# KiCad board panel.kicad_pcb (continued)
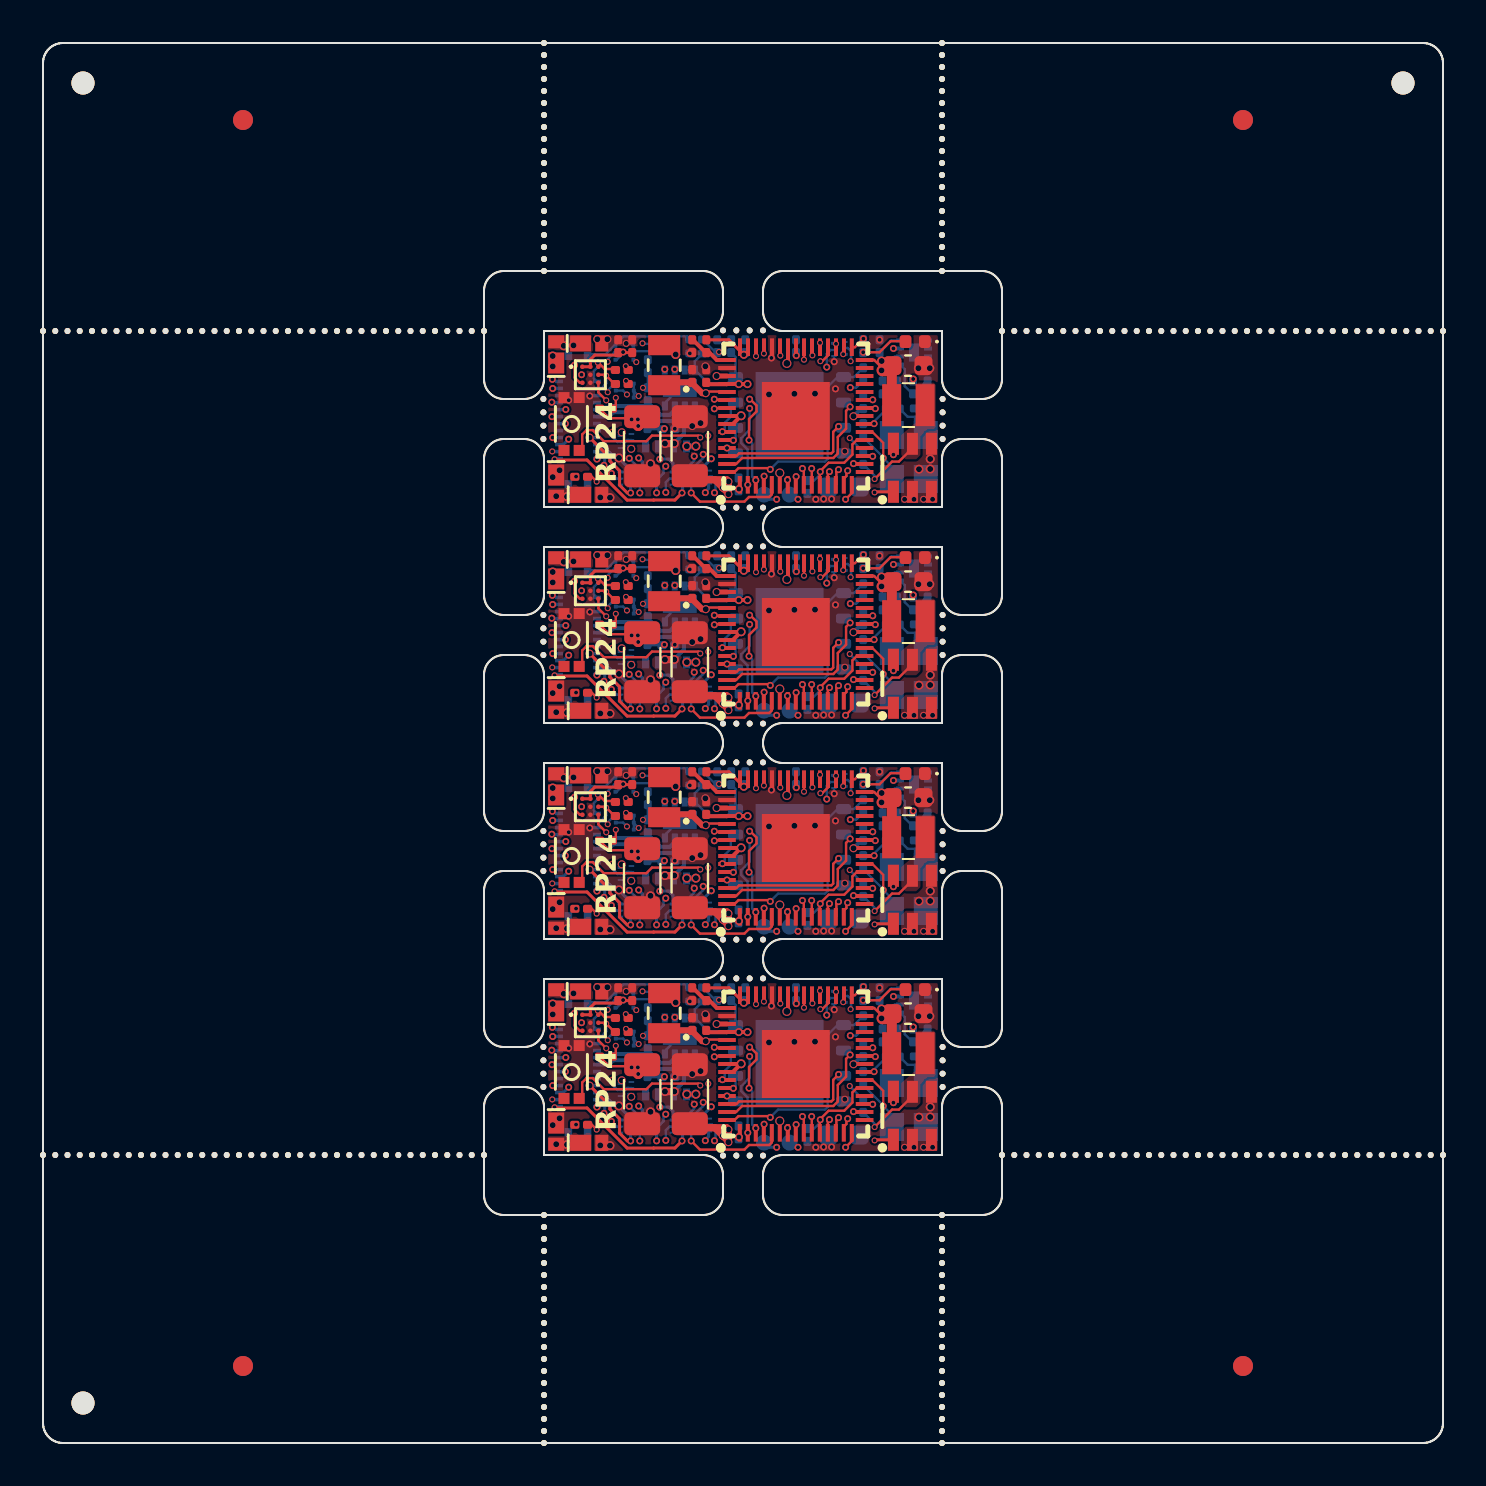
[diagram p0: board, top side]
## Routing (per net, layer and track width the routed paths; a pad name or vN(x,y) marks a point on that pad's centre or on a via; arc(x,y) is an arc through that point) (continued)
Board_2-/GPIO26: length 7.4
  Top w0.12: v3(36.86,32.77) 36.85,32.78 U4#2.40
  In4.Cu w0.12: v5(31.09,32.09) 31.09,32.84 31.52,33.27 36.29,33.27 36.86,32.7 v3(36.86,32.77)
Board_2-/I2S_BCLK: length 14.1
  Top w0.12: U5.C1 26.84,31.41 26.58,31.67 26.58,32.2 26.58,32.2 v5(26.58,32.29)
  In4.Cu w0.12: v5(26.58,32.29) 26.58,32.29 27.37,33.09 28.38,33.09 29.02,33.73 38.53,33.73 v3(38.85,33.41)
Board_2-/I2S_DIN: length 14.5
  Top w0.12: U4#2.34 39.25,32.78 38.96,32.49 v3(38.87,32.49)
  In4.Cu w0.12: v3(38.87,32.49) 38.87,32.88 38.25,33.5 30.54,33.5 29.85,32.8 29.49,32.8 29.29,32.6 28.57,32.6 28.39,32.78 27.59,32.78 26.93,32.11 v5(26.93,31.81)
Board_2-/I2S_LRCLK: length 15.8
  Top w0.12: U4#2.36 38.45,32.8 v3(38.47,32.78) ; U5.C3 27.77,30.93 v3(28.16,30.53)
  In3.Cu w0.12: v3(28.16,30.53) 27.38,31.31 27.38,32.57 28.03,33.22 28.37,33.22 28.88,33.73 37.52,33.73 v3(38.47,32.78)
Board_2-/LAMP_FRONT: length 4.6
  Top w0.15: v2(27.33,28.67) 27.34,28.67 28.34,27.67 28.34,27.5 28.83,27.01 28.83,26.29 29.22,25.91 v5(29.38,25.91)
  Bottom w0.15: v5(29.38,25.91) Q6#4.3 ; v2(27.33,28.67) 27.33,28.67 27.7,28.67
Board_2-/LAMP_REAR: length 2
  Bottom w0.15: 27.7,28.33 27.93,28.33 28.37,27.89 28.37,27.46 28.88,26.95
Board_2-/MOTOR_A: length 5.1
  Bottom w0.2: 27.7,29.73 28.3,29.73 28.51,29.94 29.91,29.94 29.92,29.93 30.3,29.93 30.73,29.5 31.53,29.5 32.09,30.06 U6#4.2
Board_2-/MOTOR_B: length 4.7
  Bottom w0.12: 30.43,30.24 30.24,30.43
  Bottom w0.2: U6#4.3 31.59,30.06 31.34,29.81 30.86,29.81 30.43,30.24 30.05,30.24 30.04,30.25 28.39,30.25 28.31,30.17 27.8,30.17 27.7,30.08
Board_2-/QSPI_CS: length 10.4
  Top w0.12: v5(36.36,27.08) 36.3,27.14 34.77,27.14 34.58,26.95
  Bottom w0.12: U3#4.1 40.54,31.7 R6#4.1 ; v5(36.36,27.08) 36.75,27.47 39.1,27.47 39.23,27.6 39.23,31.2 39.72,31.7
Board_2-/QSPI_SCLK: length 0.7
  Bottom w0.12: U3#4.6 34.63,28.65 v5(34.52,28.53)
Board_2-/QSPI_SD0: length 0.4
  Bottom w0.12: 34.47,27.88 v5(34.2,28.15)
Board_2-/QSPI_SD1: length 8.7
  Top w0.12: v5(40.35,30.21) 40.15,30.01 40.15,29.11 39.74,28.7 39.74,27.87 39.52,27.65 34.95,27.65 34.65,27.35 U4#2.59
  Bottom w0.12: v5(40.35,30.21) 40.14,30.42
Board_2-/QSPI_SD2: length 6.8
  Top w0.12: U4#2.58 34.67,27.75 34.8,27.88 39.42,27.88 39.51,27.97 39.51,28.96 v5(39.78,29.23)
Board_2-/QSPI_SD3: length 1.7
  Bottom w0.12: v5(33.97,28.96) 34.09,29.08 34.09,29.41 34.39,29.71 34.39,30.19 U3#4.7
Board_2-/RC_TX: length 14.6
  Top w0.12: v5(40.13,25.58) 40.44,25.89 U4#2.15 ; v3(27.68,26.47) 27.44,26.71 R13.2
  In1.Cu w0.12: v3(27.68,26.47) 27.94,26.22 28.36,26.22 29.11,25.47 36.08,25.47 36.55,25.94 39.77,25.94 v5(40.13,25.58)
Board_2-/SPEAKER_N: length 2
  Top w0.12: U5.B3 28.11,31.81 v3(28.16,31.76) 28.58,31.35
  Bottom w0.12: v3(28.16,31.76) 28.16,31.37 27.91,31.12 27.7,31.12
Board_2-/SPEAKER_P: length 2.3
  Top w0.12: 28.57,32.1 28.09,32.1 27.77,32.42 v3(27.74,32.42) 27.77,32.4 U5.A3
  Bottom w0.12: 27.7,31.48 27.55,31.62 27.55,32.01 27.74,32.2 v3(27.74,32.42)
Board_2-/SWCLK: length 10.1
  Top w0.15: v5(41.62,30.12) 41.58,30.15 U4#2.24
  In4.Cu w0.15: v5(41.62,30.12) 41.72,30.12 43.14,28.7 43.14,27.56 42.51,26.93 41.29,26.93 40.66,26.3 38.22,26.3 37.75,25.83 v5(37.75,25.59)
Board_2-/SWDIO: length 12
  Top w0.15: U4#2.25 41.48,30.55 v5(41.49,30.56)
  In4.Cu w0.15: v5(36.68,25.58) 36.68,25.63 37.01,25.97 37.52,25.97 38.12,26.56 40.55,26.56 41.18,27.19 42.41,27.19 42.88,27.67 42.88,28.59 41.74,29.73 41.48,29.73 41.26,29.95 41.26,30.33 v5(41.49,30.56)
  Bottom w0.15: J1#3.1 36.29,25.58 v5(36.68,25.58)
Board_2-/SWITCH: length 3.7
  Top w0.12: v3(41.58,26.6) 42.45,27.47 42.79,27.47 43.47,28.15 U2#2.5
  Bottom w0.12: C5.2 41.58,26.76 v3(41.58,26.6)
Board_2-/TRACK_LEFT: length 5.5
  Bottom w0.12: 27.33,32.84 28.13,32.84 28.55,33.26 Q4.6 28.62,33.33 29.02,33.73 32.19,33.73 R7#2.2
  vias: v6(26.04,33.26) v6(26.52,33.28)
Board_2-/TRACK_RIGHT: length 8.6
  In2.Cu w0.12: v6(25.66,25.74) 25.66,26.31 26.22,26.87 26.22,27.66 25.83,28.06 25.83,28.82 25.73,28.91 25.73,29.48 25.79,29.54 25.79,29.88 25.77,29.9 25.77,30.22 25.89,30.34 25.89,30.63 26.17,30.91 26.98,30.91 27.17,31.1 28.08,31.1 v3(28.24,30.94)
  Bottom w0.12: v3(28.24,30.94) 28.24,31.03 28.58,31.37 Q3.6
  vias: v6(26.2,25.72)
Board_2-/USB_N: length 5.7
  Top w0.12: v5(33.57,30.11) 33.61,30.15 U4#2.52
  In1.Cu w0.12: v5(33.57,30.11) 33.45,30.23 31.93,30.23 30.58,31.58 29.22,31.58 v3(29.15,31.51)
Board_2-/USB_P: length 5.9
  Top w0.12: v5(33.57,30.59) 33.6,30.55 U4#2.51
  In1.Cu w0.12: v3(29.14,32.24) 29.56,31.82 30.68,31.82 32.03,30.47 33.45,30.47 v5(33.57,30.59)
Board_2-/XIN: length 4.6
  Top w0.11: v5(42.01,27.65) 42.01,28.41 41.47,28.95 U4#2.21
  Bottom w0.11: C6#4.1 41.01,28.69 42.01,27.69 v5(42.01,27.65) 42.44,27.22 Y1#4.1
Board_2-/XOUT: length 1.5
  Top w0.12: U4#2.22 41.54,29.35 v5(41.55,29.37)
  Bottom w0.12: R5#3.2 42.17,30.09 41.55,29.47 v5(41.55,29.37)
Board_2-GND: length 5.9
  Top w0.12: v5(36.42,32.65) 36.45,32.68 U4#2.41
  Bottom w0.12: v5(39.56,32.46) 39.55,32.48 Q1.4 ; U6#4.9 31.17,30.48 31.16,30.48 ; 32.16,31.54 32.55,31.54 ; v7(29.16,33.38) 29.4,33.38 Q4.1 ; Q7#3.1 32.05,27.02 32.56,27.53 v5(32.56,27.74) ; v5(26.29,30.54) 26.29,30.55 26.07,30.77 25.8,30.77
  Bottom w0.15: v5(27.34,30.75) 27.36,30.77 27.7,30.77 ; v6(30.38,27.36) 30.38,27.33 30.68,27.02 Q5#4.1 ; v6(28.8,27.65) 28.8,27.63 Q6#4.1
  vias: v2(27.72,33.59) v2(28.22,33.59) v2(32.46,29.25) v2(32.88,29.4) v2(33.12,32.23) v5(31.59,29.12) v5(32.34,32.88) v5(38.64,25.58) v5(39.03,25.6) v5(39.43,25.6) v5(39.62,31.11) v5(41.83,33.56) v6(27.87,25.68) v6(28.35,25.67) v6(36.3,30.83) v6(37.57,30.86) v6(38.6,30.87) v6(43.77,32.14) v6(43.8,27.09) v6(44.34,32.14) v6(44.36,27.6) v6(44.36,27.1) v7(40.09,27.99)
Board_2-Net-(C4-Pad1): length 2.9
  Bottom w0.12: Y1#4.3 43.6,29.34 43.6,29.71 ; C4#2.1 43.79,29.71 43.23,29.71 R5#3.1
Board_2-Net-(D7-A): length 2.3
  Top w0.12: 43.1,33.49 42.38,33.49 41.83,32.94 v5(41.01,32.94)
Board_2-Net-(Q1A-G1): length 9.6
  In2.Cu w0.12: v3(40.38,32.49) 40.38,33.13 39.78,33.73 34.58,33.73 v3(33.8,32.95)
  Bottom w0.12: v3(40.38,32.49) 40.4,32.51 40.4,32.99 40.24,33.15 Q1.2 ; 33.64,32.92 R7#2.1
Board_2-Net-(Q1B-G2): length 5.2
  In4.Cu w0.12: v5(39.19,32.19) 39.27,32.12 39.92,32.12 39.92,32.12 40.98,32.12 41.99,33.13 v5(42.52,33.13)
  Bottom w0.12: v5(39.19,32.19) 39.19,32.86 39.38,33.05 Q1.5 ; U1#4.7 42.6,33.12 42.6,33.13 v5(42.52,33.13)
Board_2-Net-(Q3A-B1): length 5
  In2.Cu w0.12: v3(29.78,30.75) 29.53,31 29.53,31.86 29.98,32.31 29.98,33.38 v3(29.97,33.39)
  Bottom w0.12: Q3.1 29.54,30.99 v3(29.78,30.75) ; v3(29.97,33.39) 30,33.36 R12.1 ; Q3.2 Q3.3
Board_2-Net-(Q3B-B2): length 9.9
  In1.Cu w0.12: v3(29.2,30.83) 29.2,30.63 28.29,29.72 25.97,29.72 25.76,29.51 25.76,28.88 25.83,28.82 25.83,28.06 26.65,27.24 v3(26.65,26.72)
  In3.Cu w0.12: v3(29.66,32.44) 29.51,32.29 29.51,31.14 v3(29.2,30.83)
  Bottom w0.12: Q3.5 29,31.02 v3(29.2,30.83) ; Q4.3 29.64,32.44 v3(29.66,32.44)
Board_2-Net-(Q3B-E2): length 3.2
  Top w0.12: v3(28.64,30.66) 28.64,30.29 R11#2.2
  In3.Cu w0.12: v3(28.64,30.66) 28.64,32.06 v3(28.24,32.46)
  Bottom w0.12: Q4.5 28.56,32.91 28.24,32.59 v3(28.24,32.46)
Board_2-Net-(Q4A-B1): length 2.2
  Bottom w0.12: Q4.2 29.6,32.99 31.21,32.99 R12.2
Board_2-Net-(R6-Pad2): length 16.6
  Top w0.12: 26.96,28.18 26.96,28.18 26.96,28.83 27.18,29.05 27.49,29.05 28.04,28.49 30.17,28.49 30.45,28.77 32.77,28.77 v3(32.86,28.67)
  In3.Cu w0.12: v3(32.86,28.67) 33.09,28.44 33.94,28.44 34.63,29.14 38.47,29.14 39.78,30.44 39.78,30.45 40.36,31.03 v5(40.36,31.17)
  Bottom w0.12: v5(40.36,31.17) 40.66,31.17 R6#4.2
Board_2-Net-(U2-BST): length 3.5
  In1.Cu w0.12: v5(42.52,27.81) 41.69,28.65 v3(40.34,28.65)
  Bottom w0.12: C5.1 40.34,28.64 v3(40.34,28.65)
Board_2-Net-(U4-GPIO19): length 0.8
  Top w0.12: U4#2.31 40.59,33.19 v5(41.02,33.62)
Board_2-Net-(U4-VREG_AVDD): length 2.1
  Top w0.2: R14#2.1 33.32,32.92 33.69,32.55 U4#2.46 ; 33.14,32.92 32.5,33.56
Board_2-Net-(U4-VREG_LX): length 3.1
  Top w0.25: v2(33.68,31.75) U4#2.48
  In1.Cu w0.35: v2(33.68,31.75) 32.64,31.75 31.63,32.76 v6(31.63,32.83)
Board_2-VDC: length 13.3
  In3.Cu w0.12: v6(32.64,28.24) 32.67,28.21 33.65,28.21 34.06,27.8 34.34,27.8 34.95,28.41 34.95,28.68 35.18,28.91 38.57,28.91 40.01,30.35 40.01,30.35 40.48,30.82 40.61,30.82 41.39,31.6 v5(43.51,31.6)
  Bottom w0.3: 32.18,28.23 32.63,28.23 v6(32.64,28.24)
  vias: v6(25.49,32.75) v6(25.49,32.23) v6(25.49,26.69) v6(25.83,27.04) v6(32.19,28.24)
Board_3-+1V1: length 20.5
  Top w0.12: v2(33.14,20.09) 33.22,20.17 34.18,20.17
  Top w0.2: v1(37.19,21.58) 37.25,21.64 U4#3.39 ; U4#3.23 40.58,18.95 40.57,18.94 v2(40.52,18.94)
  Top w0.3: 32.46,20.59 32.96,20.09 v2(33.14,20.09) ; 31.2,20.63 C9.1
  In1.Cu w0.3: 37.19,21.58 36.96,21.35 34.76,21.35 33.67,20.26 33.31,20.26 v2(33.14,20.09) ; v1(36.84,16.1) 36.84,16.16 39.62,18.94 v2(40.52,18.94)
  In2.Cu w0.3: v2(40.52,18.94) 40.8,19.21 40.8,20.55 40.48,20.86 37.97,20.86 37.25,21.58 v1(37.19,21.58)
  Bottom w0.2: v2(40.52,18.94) 40.91,19.32
Board_3-+3.3V: length 30.7
  Top w0.12: v4(34.8,15.3) 34.8,15.47 ; v6(41.93,21.23) 41.93,21.38 41.56,21.75 U4#3.30 ; R11.1 28.31,18.84 29.88,18.84 ; v4(35.04,22.01) 35.15,22.12 35.2,22.12 35.25,22.17 ; U4#3.20 40.69,17.75 40.47,17.53 40.47,17.02 40.06,16.61 39.28,16.61 38.86,16.2 v5(38.86,16.16) 38.84,16.14 U4#3.11
  Top w0.15: 35.2,22.12 34.93,22.12 34.85,22.2 ; v3(41.58,15.13) 41.61,15.16 U2.1 ; R14#4.2 34.29,22.76 v4(35.04,22.01) ; C19#4.1 C18#4.1 28.63,22 27.59,22 27.37,21.78 U5#2.A2 U5#2.A1
  Top w0.2: 34.49,18.55 v6(34.91,18.96) 34.89,18.95 U4#3.53 ; 33.25,20.54 34.19,20.54 U4#3.49 34.79,20.55 v4(34.79,20.55) v4(35.23,20.55)
  Top w0.3: v6(41.93,21.7) 41.93,21.23 v6(41.93,21.23) 41.93,21.7 v6(41.93,21.7)
  Top w0.5: 42.44,21.19 42.47,21.23 C7#2.1 ; 42.44,21.19 41.96,21.19 v6(41.93,21.23) ; 42.44,21.19 42.44,19.49 ; v3(29.76,18.45) v3(29.43,18.78)
  Bottom w0.12: 41.83,22.14 42.41,22.72 U1#2.8 ; U6#2.8 32.59,21.69 C20#4.1 ; U6#2.8 U6#2.7 ; U6#2.8 33.26,20.58 34.22,20.58 34.58,20.94 ; v6(41.93,21.7) 41.83,21.8 C1.2 ; v6(41.93,21.23) 41.93,20.75 ; U3.8 34.63,21.9 C3#2.1 ; Q4#2.4 28.68,21.76 28.89,21.97 28.89,22.03 v5(29,22.15) ; C16.1 38.55,15.72 38.86,16.03 v5(38.86,16.16)
  Bottom w0.15: v5(26.12,18.57) 26.12,18.57 26.11,18.57 J3#4.18
  vias: v3(29.74,18.78) v5(37.66,21.97)
Board_3-/ADC_EMF_A: length 7.7
  In3.Cu w0.12: v3(36.05,22.07) 36.05,21.88 35.57,21.41 34.66,21.41 33.83,20.58 32.79,20.58 31.07,18.86 v5(31.07,18.31)
  Bottom w0.12: R17#4.2 30.25,18.29
Board_3-/ADC_EMF_B: length 7.8
  Top w0.12: v3(35.65,21.94) U4#3.43
  In3.Cu w0.12: v3(35.65,21.94) 35.35,21.64 33.85,21.64 33.27,21.06 32.95,21.06 32.24,20.36 v3(30,20.36)
  Bottom w0.12: v3(30,20.36) R18#2.1 R19#4.2
Board_3-/AUX1 (VDC): length 3.9
  In1.Cu w0.15: v5(28.05,16.49) 28.06,16.47 28.06,16.46 28.08,16.44 29.43,16.44 29.78,16.8 v5(29.78,16.85)
  Bottom w0.15: Q5#3.6 30.06,16.15 29.97,16.25 29.97,16.67 v5(29.78,16.85) ; 27.7,17.17 27.91,17.17 28.09,17 28.09,16.53 28.06,16.51 28.06,16.5 v5(28.05,16.49)
Board_3-/AUX2 (VDC): length 4.6
  In1.Cu w0.15: v5(27.7,16.79) 27.69,16.79 27.69,16.79 27.61,16.71 27.61,16.29 28.24,15.66 30.13,15.66 v5(30.68,15.11)
  Bottom w0.15: Q5#3.3 30.68,15.11 v5(30.68,15.11) ; 27.7,16.83 27.7,16.8 v5(27.7,16.79)
Board_3-/AUX3: length 19.5
  Top w0.12: 41.09,16.94 41.48,16.94 v5(41.48,16.93)
  In4.Cu w0.12: v5(25.44,19.64) 25.89,20.09 26.43,20.09 27.13,19.39 28.84,19.39 29.04,19.59 30.03,19.59 30.9,20.46 33.44,20.46 34.51,19.39 34.51,18.8 34.76,18.55 35.63,18.55 36.18,18.01 39.02,18.01 39.49,17.53 39.88,17.53 40.23,17.53 40.83,16.93 v5(41.48,16.93)
  Bottom w0.12: v5(25.44,19.64) 25.47,19.64 25.48,19.62 25.8,19.62
Board_3-/AUX4: length 16.6
  Top w0.12: v5(40.53,16.57) 40.55,16.55 U4#3.17
  In4.Cu w0.12: v5(26.14,19.28) 26.17,19.25 26.17,19.22 26.23,19.16 28.94,19.16 29.1,19.33 31.39,19.33 31.75,18.97 33.03,18.97 33.25,18.74 33.25,18.74 34.21,18.74 34.63,18.32 35.54,18.32 36.08,17.78 38.92,17.78 39.85,16.84 40.25,16.84 v5(40.53,16.57)
  Bottom w0.12: 25.8,19.28 v5(26.14,19.28)
Board_3-/AUX5 (VDC): length 10
  In4.Cu w0.15: v5(25.48,17.87) 25.48,17.88 25.76,18.15 27.06,18.15 27.43,18.52 29.22,18.52 29.73,18.01 30.08,18.01 30.93,17.16 31.25,17.16 31.83,16.58 33.18,16.58 v5(33.41,16.81)
  Bottom w0.15: v5(33.41,16.81) 32.8,16.2 Q8#2.6
Board_3-/AUX6 (VDC): length 6.9
  In4.Cu w0.15: v5(30.84,16.79) 29.94,17.69 29.25,17.69 29.04,17.48 26.6,17.48 v5(26.29,17.79)
  Bottom w0.15: Q7.6 31.5,16.59 31.29,16.8 30.99,16.8 30.98,16.79 v5(30.84,16.79) ; 25.8,17.53 26.02,17.53 v5(26.29,17.79)
Board_3-/AUX7 (VDC): length 9.5
  In4.Cu w0.15: v5(33.12,15.12) 32.64,15.59 28.31,15.59 27.15,16.75 26.36,16.75 25.91,17.2 25.45,17.2 25.44,17.2 25.44,17.2 v3(25.46,17.18)
  Bottom w0.15: v3(25.46,17.18) 25.46,17.18 25.8,17.17 ; v5(33.12,15.12) 33.12,15.16 33.28,15.33 Q8#2.3
Board_3-/AUX8 (VDC): length 8.1
  Top w0.15: v5(31.95,15.1) 31.6,14.75 30.53,14.75 30.53,14.75 29.21,14.75 27.2,16.75 25.61,16.75 v3(25.58,16.79)
  Bottom w0.15: v5(31.95,15.1) 31.98,15.13 Q7.3 ; v3(25.58,16.79) 25.76,16.79 25.8,16.83
Board_3-/AUX10: length 17.3
  Top w0.12: v5(40.23,16.21) 40.17,16.15 40.17,15.95 40.04,15.82
  In4.Cu w0.12: v5(40.23,16.21) 40.23,16.3 39.92,16.61 39.76,16.61 38.82,17.55 35.99,17.55 35.44,18.09 34.55,18.09 34.54,18.08 34.11,18.51 33.32,18.51 33,18.19 32.73,18.19 32.61,18.08 32.31,18.08 32.09,18.29 32.09,18.3 31.29,19.1 29.2,19.1 29.03,18.93 25.45,18.93 25.45,18.93 v5(25.45,18.92)
  Bottom w0.12: 25.8,18.92 25.46,18.92 v5(25.45,18.92)
Board_3-/AUX11: length 16
  In4.Cu w0.12: v5(25.48,20.32) 27.97,20.32 28.12,20.48 28.81,20.48 28.94,20.35 29.31,20.35 29.67,20.71 32.92,20.71 33.53,21.32 33.95,21.32 34.25,21.02 34.25,20.38 35.3,19.33 v5(35.33,19.33)
  Bottom w0.12: v5(35.33,19.33) 35.33,18.26 34.91,17.84 34.91,17.6 35.23,17.28 35.23,15.52 v5(35.24,15.51) ; v5(25.48,20.32) 25.8,20.32
Board_3-/AUX12: length 17.1
  Top w0.12: v5(35.3,17.74) 35.3,18.8 35.68,19.18 35.68,19.47 35.36,19.79 v5(35.33,19.79)
  In4.Cu w0.12: v5(35.33,19.79) 35.61,20.07 35.61,20.89 35.09,21.41 34.79,21.41 34.6,21.6 33.57,21.6 33.32,21.85 32.92,21.85 32.01,20.94 30.59,20.94 30.47,21.07 28.57,21.07 28.31,21.32 28.01,21.32 27.36,20.67 25.58,20.67 v5(25.47,20.78)
  Bottom w0.12: v5(35.3,17.74) 35.46,17.58 35.46,15.92 v5(35.64,15.74)
Board_3-/CAP_ENABLE: length 16.3
  In1.Cu w0.12: v3(33.26,17.96) 33.26,18.09 33.12,18.23 32.76,18.23 32.51,17.97 30.93,17.97 30.72,17.77 28.78,17.77 28.48,18.07 v3(28.48,18.17)
  In3.Cu w0.12: v3(33.26,17.96) 33.87,18.57 38.38,18.57 39.55,19.74 39.55,19.74 40.01,20.2 v3(40.01,22.04)
  Bottom w0.12: v3(28.48,18.17) 28.55,18.1 28.55,17.83 28.73,17.65 Q2.5 29.1,17.65 29.2,17.75 Q2.2
Board_3-/CAP_VDC: length 10.9
  Top w0.35: v2(34.27,15.67) 34.18,15.77 32.55,15.77 33.59,15.77 v2(33.99,15.36) ; v2(34.27,15.67) 33.99,15.4 v2(33.99,15.36) ; v2(34.27,15.67) 34.27,15.04 v2(34.27,15.04) 34.27,15.09 v2(33.99,15.36) ; v6(31.56,17.58) 31.56,17.57 31.1,17.57 v6(31.1,17.57)
  In3.Cu w0.4: 29.54,17.54 29.58,17.58 31.56,17.58 v6(31.56,17.58) ; 29.54,17.54 29.41,17.41 v2(29.41,17.31) ; 29.54,17.54 29.53,17.54 v2(28.94,18.14)
  Bottom w0.12: 28.91,18.07 28.91,18.11 v2(28.94,18.14)
  Bottom w0.2: U6#2.1 32.59,19.23 32.05,18.69 32.05,18.08 31.91,17.94 31.91,17.94 31.53,17.55
  vias: v7(43.08,14.78) v7(43.55,14.78) v7(44.03,14.78) v7(44.48,14.78)
Board_3-/COMP_N: length 2.5
  Bottom w0.12: 42.62,20.61 42.57,20.61 42.06,20.1 42.06,20.06 ; R4#4.1 42.46,20.94 42.46,21.8 42.59,21.92 U1#2.6
Board_3-/COMP_P: length 2.8
  Bottom w0.12: R2#3.1 44.18,20.7 43.54,20.06 R1#2.2 ; 43.53,20.06 43.47,20.06 43.09,20.44 43.09,21.3 42.85,21.53
Board_3-/DCC_TTL: length 0
  Bottom w0.12: v3(39.65,22.56) 39.64,22.57
Board_3-/GPIO2: length 4.6
  Top w0.12: U4#3.4 36.04,15.93 v5(36.05,15.94)
  In4.Cu w0.12: v5(36.05,15.94) 35.91,16.08 34.16,16.08 33.57,15.5 v5(33.57,15.11)
  Bottom w0.12: Q8#2.2 33.45,15.92 33.62,15.75 33.62,15.16 v5(33.57,15.11)
Board_3-/GPIO3: length 5.8
  Top w0.12: U4#3.5 36.44,15.03 36.31,14.9 35.3,14.9 35.07,14.67 32.85,14.67 v5(32.41,15.11)
  Bottom w0.12: v5(32.41,15.11) 32.41,15.69 32.54,15.82 Q8#2.5
Board_3-/GPIO4: length 8.3
  In3.Cu w0.12: v5(37.23,15.75) 37.3,15.83 37.3,16.2 36.87,16.63 36.22,16.63 35.7,16.11 34.16,16.11 33.52,15.47 31.48,15.47 v5(31.14,15.13)
  Bottom w0.12: v5(31.14,15.13) 31.14,15.63 31.33,15.82 Q7.5
Board_3-/GPIO5: length 10.1
  Top w0.12: v5(37.65,15.92) 37.64,15.91 U4#3.8
  In4.Cu w0.12: v5(29.84,15.11) 30.27,14.67 36.08,14.67 36.82,15.41 37.42,15.41 37.6,15.59 37.6,15.87 v5(37.65,15.92)
  Bottom w0.12: Q5#3.5 29.94,15.82 29.84,15.72 v5(29.84,15.11)
Board_3-/GPIO6: length 11.5
  Top w0.12: U4#3.9 38.04,16.26 v5(37.97,16.33)
  In4.Cu w0.12: v5(37.97,16.33) 37.67,16.63 36.22,16.63 35.91,16.31 34.06,16.31 33.58,15.84 28.66,15.84 v5(28.42,16.08)
  Bottom w0.12: v5(28.42,16.08) 28.68,15.82 Q6#2.5
Board_3-/GPIO7: length 12.2
  Top w0.12: v5(38.43,16.33) 38.44,16.32 U4#3.10
  In4.Cu w0.12: v5(29.31,16.83) 30.07,16.07 33.49,16.07 33.96,16.55 35.81,16.55 36.13,16.86 38.1,16.86 38.43,16.53 38.43,16.35
  Bottom w0.12: Q6#2.2 29.64,15.92 29.72,16 29.72,16.42 v5(29.31,16.83)
Board_3-/GPIO8: length 10.4
  Top w0.12: U4#3.12 39.24,16.09 v5(39.32,16.17)
  In4.Cu w0.12: v5(31.14,16.44) 31.24,16.33 33.43,16.33 33.87,16.78 35.72,16.78 36.03,17.09 38.42,17.09 39.32,16.19 v5(39.32,16.17)
  Bottom w0.12: Q5#3.2 30.85,15.92 31.03,16.09 31.03,16.33 v5(31.14,16.44)
Board_3-/GPIO9: length 9.8
  Top w0.12: v5(39.78,16.27) 39.67,16.16 39.67,15.54
  In4.Cu w0.12: v5(39.78,16.27) 38.73,17.32 35.93,17.32 35.62,17 33.71,17 33.56,17.16 33.13,17.16 v5(33.01,17.03)
  Bottom w0.12: Q7.2 32.14,15.92 32.36,16.14 32.36,16.2 33.01,16.85 v5(33.01,17.03)
Board_3-/GPIO25: length 8
  Top w0.12: v3(38.05,21.77) U4#3.37
  In4.Cu w0.12: v5(31.59,21.29) 32.03,21.29 32.83,22.08 33.42,22.08 33.67,21.83 34.7,21.83 34.89,21.64 35.5,21.64 35.95,21.19 37.47,21.19 v3(38.05,21.77)
Board_3-/GPIO26: length 7.4
  Top w0.12: U4#3.40 36.85,21.98 v3(36.86,21.97)
  In4.Cu w0.12: v3(36.86,21.97) 36.86,21.9 36.29,22.47 31.52,22.47 31.09,22.04 v5(31.09,21.29)
Board_3-/I2S_BCLK: length 14.1
  Top w0.12: v5(26.58,21.49) 26.58,21.4 26.58,21.4 26.58,20.87 26.84,20.61 U5#2.C1
  In4.Cu w0.12: v3(38.85,22.61) 38.53,22.93 29.02,22.93 28.38,22.29 27.37,22.29 26.58,21.49 v5(26.58,21.49)
Board_3-/I2S_DIN: length 14.5
  Top w0.12: U4#3.34 39.25,21.98 38.96,21.69 v3(38.87,21.69)
  In4.Cu w0.12: v3(38.87,21.69) 38.87,22.08 38.25,22.7 30.54,22.7 29.85,22 29.49,22 29.29,21.8 28.57,21.8 28.39,21.98 27.59,21.98 26.93,21.31 v5(26.93,21.01)
Board_3-/I2S_LRCLK: length 15.8
  Top w0.12: U4#3.36 38.45,22 v3(38.47,21.98) ; v3(28.16,19.73) 27.77,20.13 U5#2.C3
  In3.Cu w0.12: v3(28.16,19.73) 27.38,20.51 27.38,21.77 28.03,22.42 28.37,22.42 28.88,22.93 37.52,22.93 v3(38.47,21.98)
Board_3-/LAMP_FRONT: length 4.6
  Top w0.15: v2(27.33,17.87) 27.34,17.87 28.34,16.87 28.34,16.7 28.83,16.21 28.83,15.49 29.22,15.11 v5(29.38,15.11)
  Bottom w0.15: v5(29.38,15.11) Q6#2.3 ; v2(27.33,17.87) 27.33,17.88 27.7,17.88
Board_3-/LAMP_REAR: length 2
  Bottom w0.15: 28.88,16.15 28.37,16.66 28.37,17.09 27.93,17.53 27.7,17.53
Board_3-/MOTOR_A: length 5.1
  Bottom w0.2: 27.7,18.92 28.3,18.92 28.51,19.14 29.91,19.14 29.92,19.13 30.3,19.13 30.73,18.7 31.53,18.7 32.09,19.26 U6#2.2
Board_3-/MOTOR_B: length 4.7
  Bottom w0.12: 30.43,19.44 30.24,19.63
  Bottom w0.2: 27.7,19.28 27.8,19.37 28.31,19.37 28.39,19.45 30.04,19.45 30.05,19.44 30.43,19.44 30.86,19.01 31.34,19.01 31.59,19.26 U6#2.3
Board_3-/QSPI_CS: length 10.4
  Top w0.12: v5(36.36,16.28) 36.3,16.34 34.77,16.34 34.58,16.15
  Bottom w0.12: 39.72,20.89 39.23,20.4 39.23,16.8 39.1,16.67 36.75,16.67 v5(36.36,16.28) ; R6#2.1 40.54,20.89 U3.1
Board_3-/QSPI_SCLK: length 0.7
  Bottom w0.12: 34.63,18.36 34.63,17.85 v5(34.52,17.73)
Board_3-/QSPI_SD0: length 0.4
  Bottom w0.12: 34.47,17.08 v5(34.2,17.35)
Board_3-/QSPI_SD1: length 8.7
  Top w0.12: U4#3.59 34.65,16.55 34.95,16.85 39.52,16.85 39.74,17.07 39.74,17.9 40.15,18.31 40.15,19.21 v5(40.35,19.41)
  Bottom w0.12: v5(40.35,19.41) 40.14,19.62
Board_3-/QSPI_SD2: length 6.8
  Top w0.12: U4#3.58 34.67,16.95 34.8,17.08 39.42,17.08 39.51,17.17 39.51,18.16 v5(39.78,18.43)
Board_3-/QSPI_SD3: length 1.7
  Bottom w0.12: U3.7 34.39,19.39 34.39,18.91 34.09,18.61 34.09,18.28 v5(33.97,18.16)
Board_3-/RC_TX: length 14.6
  Top w0.12: U4#3.15 40.44,15.09 v5(40.13,14.78) ; R13#2.2 27.44,15.91 v3(27.68,15.67)
  In1.Cu w0.12: v3(27.68,15.67) 27.94,15.42 28.36,15.42 29.11,14.67 36.08,14.67 36.55,15.14 39.77,15.14 v5(40.13,14.78)
Board_3-/SPEAKER_N: length 2
  Top w0.12: U5#2.B3 28.11,21.01 v3(28.16,20.96) 28.58,20.55
  Bottom w0.12: v3(28.16,20.96) 28.16,20.57 27.91,20.33 27.7,20.33
Board_3-/SPEAKER_P: length 2.3
  Top w0.12: 28.57,21.3 28.09,21.3 27.77,21.62 v3(27.74,21.62) 27.77,21.59 U5#2.A3
  Bottom w0.12: 27.7,20.67 27.55,20.83 27.55,21.21 27.74,21.4 v3(27.74,21.62)
Board_3-/SWCLK: length 10.1
  Top w0.15: U4#3.24 41.58,19.35 v5(41.62,19.32)
  In4.Cu w0.15: v5(37.75,14.79) 37.75,15.03 38.22,15.5 40.66,15.5 41.29,16.13 42.51,16.13 43.14,16.76 43.14,17.9 41.72,19.32 v5(41.62,19.32)
Board_3-/SWDIO: length 12
  Top w0.15: v5(41.49,19.76) 41.48,19.75 U4#3.25
  In4.Cu w0.15: v5(36.68,14.78) 36.68,14.83 37.01,15.17 37.52,15.17 38.12,15.76 40.55,15.76 41.18,16.39 42.41,16.39 42.88,16.87 42.88,17.79 41.74,18.93 41.48,18.93 41.26,19.15 41.26,19.53 v5(41.49,19.76)
  Bottom w0.15: J1.1 36.29,14.78 v5(36.68,14.78)
Board_3-/SWITCH: length 3.7
  Top w0.12: v3(41.58,15.8) 42.45,16.67 42.79,16.67 43.47,17.34 U2.5
  Bottom w0.12: v3(41.58,15.8) 41.58,15.96 C5#3.2
Board_3-/TRACK_LEFT: length 5.5
  Bottom w0.12: R7#4.2 32.19,22.93 29.02,22.93 28.62,22.53 Q4#2.6 28.55,22.46 28.13,22.04 27.33,22.04
  vias: v6(26.04,22.46) v6(26.52,22.48)
Board_3-/TRACK_RIGHT: length 8.6
  In2.Cu w0.12: v3(28.24,20.14) 28.08,20.3 27.17,20.3 26.98,20.11 26.17,20.11 25.89,19.83 25.89,19.54 25.77,19.42 25.77,19.1 25.79,19.08 25.79,18.74 25.73,18.68 25.73,18.11 25.83,18.02 25.83,17.26 26.22,16.86 26.22,16.07 25.66,15.51 v6(25.66,14.94)
  Bottom w0.12: v3(28.24,20.14) 28.24,20.23 28.58,20.57 Q3#2.6
  vias: v6(26.2,14.92)
Board_3-/USB_N: length 5.7
  Top w0.12: U4#3.52 33.61,19.35 v5(33.57,19.31)
  In1.Cu w0.12: v5(33.57,19.31) 33.45,19.43 31.93,19.43 30.58,20.78 29.22,20.78 v3(29.15,20.71)
Board_3-/USB_P: length 5.9
  Top w0.12: v5(33.57,19.79) 33.6,19.75 U4#3.51
  In1.Cu w0.12: v3(29.14,21.44) 29.56,21.02 30.68,21.02 32.03,19.67 33.45,19.67 v5(33.57,19.79)
Board_3-/XIN: length 4.6
  Top w0.11: v5(42.01,16.85) 42.01,17.61 41.47,18.15 U4#3.21
  Bottom w0.11: C6#2.1 41.01,17.89 42.01,16.89 v5(42.01,16.85) 42.44,16.42 Y1#3.1
Board_3-/XOUT: length 1.5
  Top w0.12: U4#3.22 41.54,18.55 v5(41.55,18.57)
  Bottom w0.12: R5#2.2 42.17,19.29 41.55,18.67 v5(41.55,18.57)
Board_3-GND: length 5.9
  Top w0.12: U4#3.41 36.45,21.88 v5(36.42,21.85)
  Bottom w0.12: Q4#2.1 29.4,22.58 v7(29.16,22.58) ; Q1#4.4 39.55,21.68 v5(39.56,21.66) ; 32.16,20.74 32.55,20.74 ; 31.16,19.68 31.17,19.68 U6#2.9 ; v5(32.56,16.94) 32.56,16.73 32.05,16.22 Q7.1 ; v5(26.29,19.74) 26.29,19.75 26.07,19.97 25.8,19.97
  Bottom w0.15: Q5#3.1 30.68,16.22 30.38,16.53 v6(30.38,16.56) ; v5(27.34,19.95) 27.36,19.97 27.7,19.97 ; v6(28.8,16.85) 28.8,16.83 Q6#2.1
  vias: v2(27.72,22.79) v2(28.22,22.79) v2(32.46,18.45) v2(32.88,18.6) v2(33.12,21.43) v5(31.59,18.31) v5(32.34,22.08) v5(38.64,14.78) v5(39.03,14.8) v5(39.43,14.8) v5(39.62,20.31) v5(41.83,22.76) v6(27.87,14.88) v6(28.35,14.87) v6(36.3,20.03) v6(37.57,20.06) v6(38.6,20.07) v6(43.77,21.34) v6(43.8,16.29) v6(44.34,21.34) v6(44.36,16.8) v6(44.36,16.3) v7(40.09,17.19)
Board_3-Net-(C4-Pad1): length 2.9
  Bottom w0.12: C4#4.1 43.79,18.91 43.23,18.91 R5#2.1 ; 43.6,18.91 43.6,18.54 Y1#3.3
Board_3-Net-(D7-A): length 2.3
  Top w0.12: 43.1,22.69 42.38,22.69 41.83,22.14 v5(41.01,22.14)
Board_3-Net-(Q1A-G1): length 9.6
  In2.Cu w0.12: v3(40.38,21.69) 40.38,22.33 39.78,22.93 34.58,22.93 v3(33.8,22.15)
  Bottom w0.12: v3(40.38,21.69) 40.4,21.71 40.4,22.19 40.24,22.35 Q1#4.2 ; 33.64,22.12 R7#4.1
Board_3-Net-(Q1B-G2): length 5.2
  In4.Cu w0.12: v5(42.52,22.33) 41.99,22.33 40.98,21.32 39.92,21.32 39.92,21.32 39.27,21.32 v5(39.19,21.39)
  Bottom w0.12: v5(39.19,21.39) 39.19,22.06 39.38,22.25 Q1#4.5 ; U1#2.7 42.6,22.33 42.6,22.33 v5(42.52,22.33)
Board_3-Net-(Q3A-B1): length 5
  In2.Cu w0.12: v3(29.78,19.95) 29.53,20.2 29.53,21.06 29.98,21.51 29.98,22.58 v3(29.97,22.59)
  Bottom w0.12: v3(29.97,22.59) 30,22.56 R12#3.1 ; Q3#2.2 Q3#2.3 ; Q3#2.1 29.54,20.19 v3(29.78,19.95)
Board_3-Net-(Q3B-B2): length 9.9
  In1.Cu w0.12: v3(26.65,15.92) 26.65,16.44 25.83,17.26 25.83,18.02 25.76,18.08 25.76,18.71 25.97,18.92 28.29,18.92 29.2,19.83 v3(29.2,20.03)
  In3.Cu w0.12: v3(29.66,21.64) 29.51,21.49 29.51,20.34 v3(29.2,20.03)
  Bottom w0.12: Q4#2.3 29.64,21.64 v3(29.66,21.64) ; v3(29.2,20.03) 29,20.22 Q3#2.5
Board_3-Net-(Q3B-E2): length 3.2
  Top w0.12: v3(28.64,19.86) 28.64,19.49 R11.2
  In3.Cu w0.12: v3(28.64,19.86) 28.64,21.26 v3(28.24,21.66)
  Bottom w0.12: v3(28.24,21.66) 28.24,21.79 28.56,22.11 Q4#2.5
Board_3-Net-(Q4A-B1): length 2.2
  Bottom w0.12: Q4#2.2 29.6,22.19 31.21,22.19 R12#3.2
Board_3-Net-(R6-Pad2): length 16.6
  Top w0.12: 26.96,17.38 26.96,17.38 26.96,18.03 27.18,18.25 27.49,18.25 28.04,17.69 30.17,17.69 30.45,17.97 32.77,17.97 v3(32.86,17.87)
  In3.Cu w0.12: v3(32.86,17.87) 33.09,17.64 33.94,17.64 34.63,18.34 38.47,18.34 39.78,19.64 39.78,19.65 40.36,20.23 v5(40.36,20.37)
  Bottom w0.12: R6#2.2 40.66,20.37 v5(40.36,20.37)
Board_3-Net-(U2-BST): length 3.5
  In1.Cu w0.12: v3(40.34,17.85) 41.69,17.85 v5(42.52,17.01)
  Bottom w0.12: C5#3.1 40.34,17.84 v3(40.34,17.85)
Board_3-Net-(U4-GPIO19): length 0.8
  Top w0.12: U4#3.31 40.59,22.39 v5(41.02,22.81)
Board_3-Net-(U4-VREG_AVDD): length 2.1
  Top w0.2: U4#3.46 33.69,21.75 33.32,22.12 R14#4.1 ; 33.14,22.12 32.5,22.76
Board_3-Net-(U4-VREG_LX): length 3.1
  Top w0.25: v2(33.68,20.95) U4#3.48
  In1.Cu w0.35: v6(31.63,22.03) 31.63,21.96 32.64,20.95 v2(33.68,20.95)
Board_3-VDC: length 13.3
  In3.Cu w0.12: v6(32.64,17.44) 32.67,17.41 33.65,17.41 34.06,17 34.34,17 34.95,17.61 34.95,17.88 35.18,18.11 38.57,18.11 40.01,19.55 40.01,19.55 40.48,20.02 40.61,20.02 41.39,20.8 v5(43.51,20.8)
  Bottom w0.3: 32.18,17.43 32.63,17.43 v6(32.64,17.44)
  vias: v6(25.49,21.95) v6(25.49,21.43) v6(25.49,15.89) v6(25.83,16.24) v6(32.19,17.44)

## Copper pours and planes (outline as drawn; the poured copper is in the pictures)
Board_0-+3.3V on In1.Cu: 44.75,55.5 44.75,46.8 25.05,46.8 25.05,55.49
Board_0-+3.3V on In3.Cu: 44.75,55.5 44.75,50.85 27.41,50.85 27.43,55.5
Board_0-/CAP+ on Bottom: 27.4,50.88 27.99,50.88 28,50.89 28,51.29 28.16,51.45 29.91,51.45 29.92,51.44 29.92,50.69 30.08,50.53 30.18,50.53 30.35,50.36 30.35,49.46 30.29,49.4 28.54,49.4 27.51,50.43 27.4,50.43
Board_0-/CAP_VDC on Top: 31.67,47.81 32.94,47.81 33.24,48.11 33.24,48.8 31.89,50.15 30.6,50.15 30.46,50.01 30.46,49.65 31.44,48.67 31.44,48.04
Board_0-/CAP_VDC on Top: 44.95,46.8 42.9,46.8 42.9,47.98 43.13,48.21 44.95,48.21
Board_0-/CAP_VDC on Bottom: 44.55,48.3 44.55,46.8 40.3,46.8 40.3,48.25 40.53,48.48 44.37,48.48
Board_0-/CAP_VDC on Bottom: 31.72,49.4 31.81,49.49 31.81,50.14 31.74,50.21 30.58,50.21 30.49,50.12 30.49,49.49 30.58,49.4
Board_0-/CAP_VDC on In3.Cu: 25.05,55.5 44.75,55.5 44.75,46.8 25.05,46.8
Board_0-/SWITCH on Top: 43.87,50.33 44.23,50.7 44.54,50.7 44.63,50.8 44.64,52.91 44.53,53.02 43.76,53.02 43.65,52.91 43.65,51.04 42.91,50.4 42.92,49.4 43.13,49.19 43.66,49.19 43.87,49.4
Board_0-/TRACK_LEFT on Top: 27.44,54.56 25.17,54.56 25.06,54.67 25.06,55.5 27.51,55.5 27.51,54.63
Board_0-/TRACK_LEFT on Bottom: 25.88,55.57 26.51,55.56 26.57,55.5 27.43,55.5 27.53,55.4 27.53,54.13 27.44,54.04 26.05,54.04 25.78,54.31 25.78,55.47
Board_0-/TRACK_RIGHT on Top: 27.43,47.01 27.43,47.8 27.33,47.91 26.23,47.91 26.07,47.74 25.11,47.74 25.11,46.85 27.28,46.85
Board_0-/TRACK_RIGHT on Bottom: 25.6,47.13 26.3,47.13 26.79,47.63 27.44,47.62 27.48,47.67 27.48,48.12 27.44,48.16 25.63,48.16 25.42,47.95 25.42,47.31
Board_0-GND on Top, Bottom, In2.Cu, In4.Cu: 25.05,55.5 44.95,55.5 44.95,46.8 25.05,46.8
Board_0-VDC on Top: 25.05,49.03 27.31,49.03 27.33,49.01 27.33,47.91 27.29,47.87 25.05,47.87
Board_0-VDC on Bottom: 25.05,54.59 25.57,54.59 26.29,53.87 26.29,53.71 26.01,53.43 25.05,53.43
Board_0-VDC on Bottom: 25.55,49.01 25.98,49.01 25.98,53.01 25.56,53.43 25.48,53.43 25.48,54.04 25.49,54.05 26.49,54.05 26.95,53.59 26.95,52.65 27.4,52.2 27.4,48.19 25.55,48.19
Board_0-VDC on In3.Cu: 25.06,55.5 27.57,55.5 32.88,50.75 32.88,46.8 25.06,46.79
Board_1-+3.3V on In1.Cu: 44.75,44.7 44.75,36 25.05,36 25.05,44.69
Board_1-+3.3V on In3.Cu: 44.75,44.7 44.75,40.05 27.41,40.05 27.43,44.7
Board_1-/CAP+ on Bottom: 27.4,40.08 27.99,40.08 28,40.09 28,40.49 28.16,40.65 29.91,40.65 29.92,40.64 29.92,39.89 30.08,39.73 30.18,39.73 30.35,39.56 30.35,38.66 30.29,38.6 28.54,38.6 27.51,39.63 27.4,39.63
Board_1-/CAP_VDC on Top: 31.67,37.01 32.94,37.01 33.24,37.31 33.24,38 31.89,39.35 30.6,39.35 30.46,39.21 30.46,38.85 31.44,37.87 31.44,37.24
Board_1-/CAP_VDC on Top: 44.95,36 42.9,36 42.9,37.18 43.13,37.41 44.95,37.41
Board_1-/CAP_VDC on Bottom: 31.72,38.6 31.81,38.69 31.81,39.34 31.74,39.41 30.58,39.41 30.49,39.32 30.49,38.69 30.58,38.6
Board_1-/CAP_VDC on Bottom: 44.55,37.5 44.55,36 40.3,36 40.3,37.45 40.53,37.68 44.37,37.68
Board_1-/CAP_VDC on In3.Cu: 25.05,44.7 44.75,44.7 44.75,36 25.05,36
Board_1-/SWITCH on Top: 43.87,39.53 44.23,39.9 44.54,39.9 44.63,40 44.64,42.11 44.53,42.22 43.76,42.22 43.65,42.11 43.65,40.24 42.91,39.6 42.92,38.6 43.13,38.39 43.66,38.39 43.87,38.6
Board_1-/TRACK_LEFT on Top: 27.44,43.76 25.17,43.76 25.06,43.88 25.06,44.7 27.51,44.7 27.51,43.83
Board_1-/TRACK_LEFT on Bottom: 25.88,44.77 26.51,44.76 26.57,44.7 27.43,44.7 27.53,44.6 27.53,43.33 27.44,43.24 26.05,43.24 25.78,43.51 25.78,44.67
Board_1-/TRACK_RIGHT on Top: 27.43,36.2 27.43,37.01 27.33,37.11 26.23,37.11 26.07,36.94 25.11,36.94 25.11,36.05 27.28,36.05
Board_1-/TRACK_RIGHT on Bottom: 25.6,36.33 26.3,36.33 26.79,36.83 27.44,36.82 27.48,36.87 27.48,37.32 27.44,37.36 25.63,37.36 25.42,37.15 25.42,36.51
Board_1-GND on Top, Bottom, In2.Cu, In4.Cu: 25.05,44.7 44.95,44.7 44.95,36 25.05,36
Board_1-VDC on Top: 25.05,38.23 27.31,38.23 27.33,38.21 27.33,37.11 27.29,37.07 25.05,37.07
Board_1-VDC on Bottom: 25.05,43.79 25.57,43.79 26.29,43.07 26.29,42.91 26.01,42.63 25.05,42.63
Board_1-VDC on Bottom: 25.55,38.21 25.98,38.21 25.98,42.21 25.56,42.63 25.48,42.63 25.48,43.24 25.49,43.25 26.49,43.25 26.95,42.79 26.95,41.85 27.4,41.4 27.4,37.39 25.55,37.39
Board_1-VDC on In3.Cu: 25.06,44.7 27.57,44.7 32.88,39.95 32.88,36 25.06,35.99
Board_2-+3.3V on In1.Cu: 44.75,33.9 44.75,25.2 25.05,25.2 25.05,33.89
Board_2-+3.3V on In3.Cu: 44.75,33.9 44.75,29.25 27.41,29.25 27.43,33.9
Board_2-/CAP+ on Bottom: 27.4,29.28 27.99,29.28 28,29.29 28,29.69 28.16,29.85 29.91,29.85 29.92,29.84 29.92,29.09 30.08,28.93 30.18,28.93 30.35,28.76 30.35,27.86 30.29,27.8 28.54,27.8 27.51,28.83 27.4,28.83
Board_2-/CAP_VDC on Top: 31.67,26.21 32.94,26.21 33.24,26.51 33.24,27.2 31.89,28.55 30.6,28.55 30.46,28.41 30.46,28.05 31.44,27.07 31.44,26.44
Board_2-/CAP_VDC on Top: 44.95,25.2 42.9,25.2 42.9,26.38 43.13,26.61 44.95,26.61
Board_2-/CAP_VDC on Bottom: 44.55,26.7 44.55,25.2 40.3,25.2 40.3,26.65 40.53,26.88 44.37,26.88
Board_2-/CAP_VDC on Bottom: 31.72,27.8 31.81,27.89 31.81,28.54 31.74,28.61 30.58,28.61 30.49,28.52 30.49,27.89 30.58,27.8
Board_2-/CAP_VDC on In3.Cu: 25.05,33.9 44.75,33.9 44.75,25.2 25.05,25.2
Board_2-/SWITCH on Top: 43.87,28.73 44.23,29.1 44.54,29.1 44.63,29.2 44.64,31.31 44.53,31.41 43.76,31.41 43.65,31.31 43.65,29.44 42.91,28.8 42.92,27.8 43.13,27.59 43.66,27.59 43.87,27.8
Board_2-/TRACK_LEFT on Top: 27.44,32.96 25.17,32.96 25.06,33.08 25.06,33.9 27.51,33.9 27.51,33.03
Board_2-/TRACK_LEFT on Bottom: 25.88,33.97 26.51,33.96 26.57,33.9 27.43,33.9 27.53,33.8 27.53,32.53 27.44,32.44 26.05,32.44 25.78,32.71 25.78,33.87
Board_2-/TRACK_RIGHT on Top: 27.43,25.41 27.43,26.2 27.33,26.31 26.23,26.31 26.07,26.14 25.11,26.14 25.11,25.25 27.28,25.25
Board_2-/TRACK_RIGHT on Bottom: 25.6,25.53 26.3,25.53 26.79,26.03 27.44,26.02 27.48,26.07 27.48,26.52 27.44,26.56 25.63,26.56 25.42,26.35 25.42,25.71
Board_2-GND on Top, Bottom, In2.Cu, In4.Cu: 25.05,33.9 44.95,33.9 44.95,25.2 25.05,25.2
Board_2-VDC on Top: 25.05,27.43 27.31,27.43 27.33,27.41 27.33,26.31 27.29,26.27 25.05,26.27
Board_2-VDC on Bottom: 25.05,32.99 25.57,32.99 26.29,32.27 26.29,32.11 26.01,31.83 25.05,31.83
Board_2-VDC on Bottom: 25.55,27.41 25.98,27.41 25.98,31.41 25.56,31.83 25.48,31.83 25.48,32.44 25.49,32.45 26.49,32.45 26.95,31.99 26.95,31.05 27.4,30.6 27.4,26.59 25.55,26.59
Board_2-VDC on In3.Cu: 25.06,33.9 27.57,33.9 32.88,29.15 32.88,25.2 25.06,25.19
Board_3-+3.3V on In1.Cu: 44.75,23.1 44.75,14.4 25.05,14.4 25.05,23.09
Board_3-+3.3V on In3.Cu: 44.75,23.1 44.75,18.45 27.41,18.45 27.43,23.1
Board_3-/CAP+ on Bottom: 27.4,18.48 27.99,18.48 28,18.49 28,18.89 28.16,19.05 29.91,19.05 29.92,19.04 29.92,18.29 30.08,18.13 30.18,18.13 30.35,17.96 30.35,17.06 30.29,17 28.54,17 27.51,18.03 27.4,18.03
Board_3-/CAP_VDC on Top: 44.95,14.4 42.9,14.4 42.9,15.58 43.13,15.81 44.95,15.81
Board_3-/CAP_VDC on Top: 31.67,15.41 32.94,15.41 33.24,15.71 33.24,16.4 31.89,17.75 30.6,17.75 30.46,17.61 30.46,17.25 31.44,16.27 31.44,15.64
Board_3-/CAP_VDC on Bottom: 31.72,17 31.81,17.09 31.81,17.74 31.74,17.81 30.58,17.81 30.49,17.72 30.49,17.09 30.58,17
Board_3-/CAP_VDC on Bottom: 44.55,15.9 44.55,14.4 40.3,14.4 40.3,15.85 40.53,16.08 44.37,16.08
Board_3-/CAP_VDC on In3.Cu: 25.05,23.1 44.75,23.1 44.75,14.4 25.05,14.4
Board_3-/SWITCH on Top: 43.87,17.93 44.23,18.3 44.54,18.3 44.63,18.4 44.64,20.51 44.53,20.61 43.76,20.61 43.65,20.51 43.65,18.64 42.91,18 42.92,17 43.13,16.79 43.66,16.79 43.87,17
Board_3-/TRACK_LEFT on Top: 27.44,22.16 25.17,22.16 25.06,22.28 25.06,23.1 27.51,23.1 27.51,22.23
Board_3-/TRACK_LEFT on Bottom: 25.88,23.17 26.51,23.16 26.57,23.1 27.43,23.1 27.53,23 27.53,21.73 27.44,21.64 26.05,21.64 25.78,21.91 25.78,23.07
Board_3-/TRACK_RIGHT on Top: 27.43,14.61 27.43,15.41 27.33,15.51 26.23,15.51 26.07,15.34 25.11,15.34 25.11,14.45 27.28,14.45
Board_3-/TRACK_RIGHT on Bottom: 25.6,14.73 26.3,14.73 26.79,15.23 27.44,15.22 27.48,15.27 27.48,15.72 27.44,15.76 25.63,15.76 25.42,15.55 25.42,14.91
Board_3-GND on Top, Bottom, In2.Cu, In4.Cu: 25.05,23.1 44.95,23.1 44.95,14.4 25.05,14.4
Board_3-VDC on Top: 25.05,16.63 27.31,16.63 27.33,16.61 27.33,15.51 27.29,15.47 25.05,15.47
Board_3-VDC on Bottom: 25.55,16.61 25.98,16.61 25.98,20.61 25.56,21.03 25.48,21.03 25.48,21.64 25.49,21.65 26.49,21.65 26.95,21.19 26.95,20.25 27.4,19.8 27.4,15.79 25.55,15.79
Board_3-VDC on Bottom: 25.05,22.19 25.57,22.19 26.29,21.47 26.29,21.31 26.01,21.03 25.05,21.03
Board_3-VDC on In3.Cu: 25.06,23.1 27.57,23.1 32.88,18.35 32.88,14.4 25.06,14.39

Small or netless copper shapes (teardrops, artwork), in the pictures only: 8 on Bottom

## Text on the board
B.Silkscreen: MS | 󱟶 | v0.0.2 | I | C
F.Silkscreen: RP24
